# Allegro board RK_NVR_DEMO1_RK3588_LP4XD200P232SD8_V21_20211228_final_lint.brd (continued)
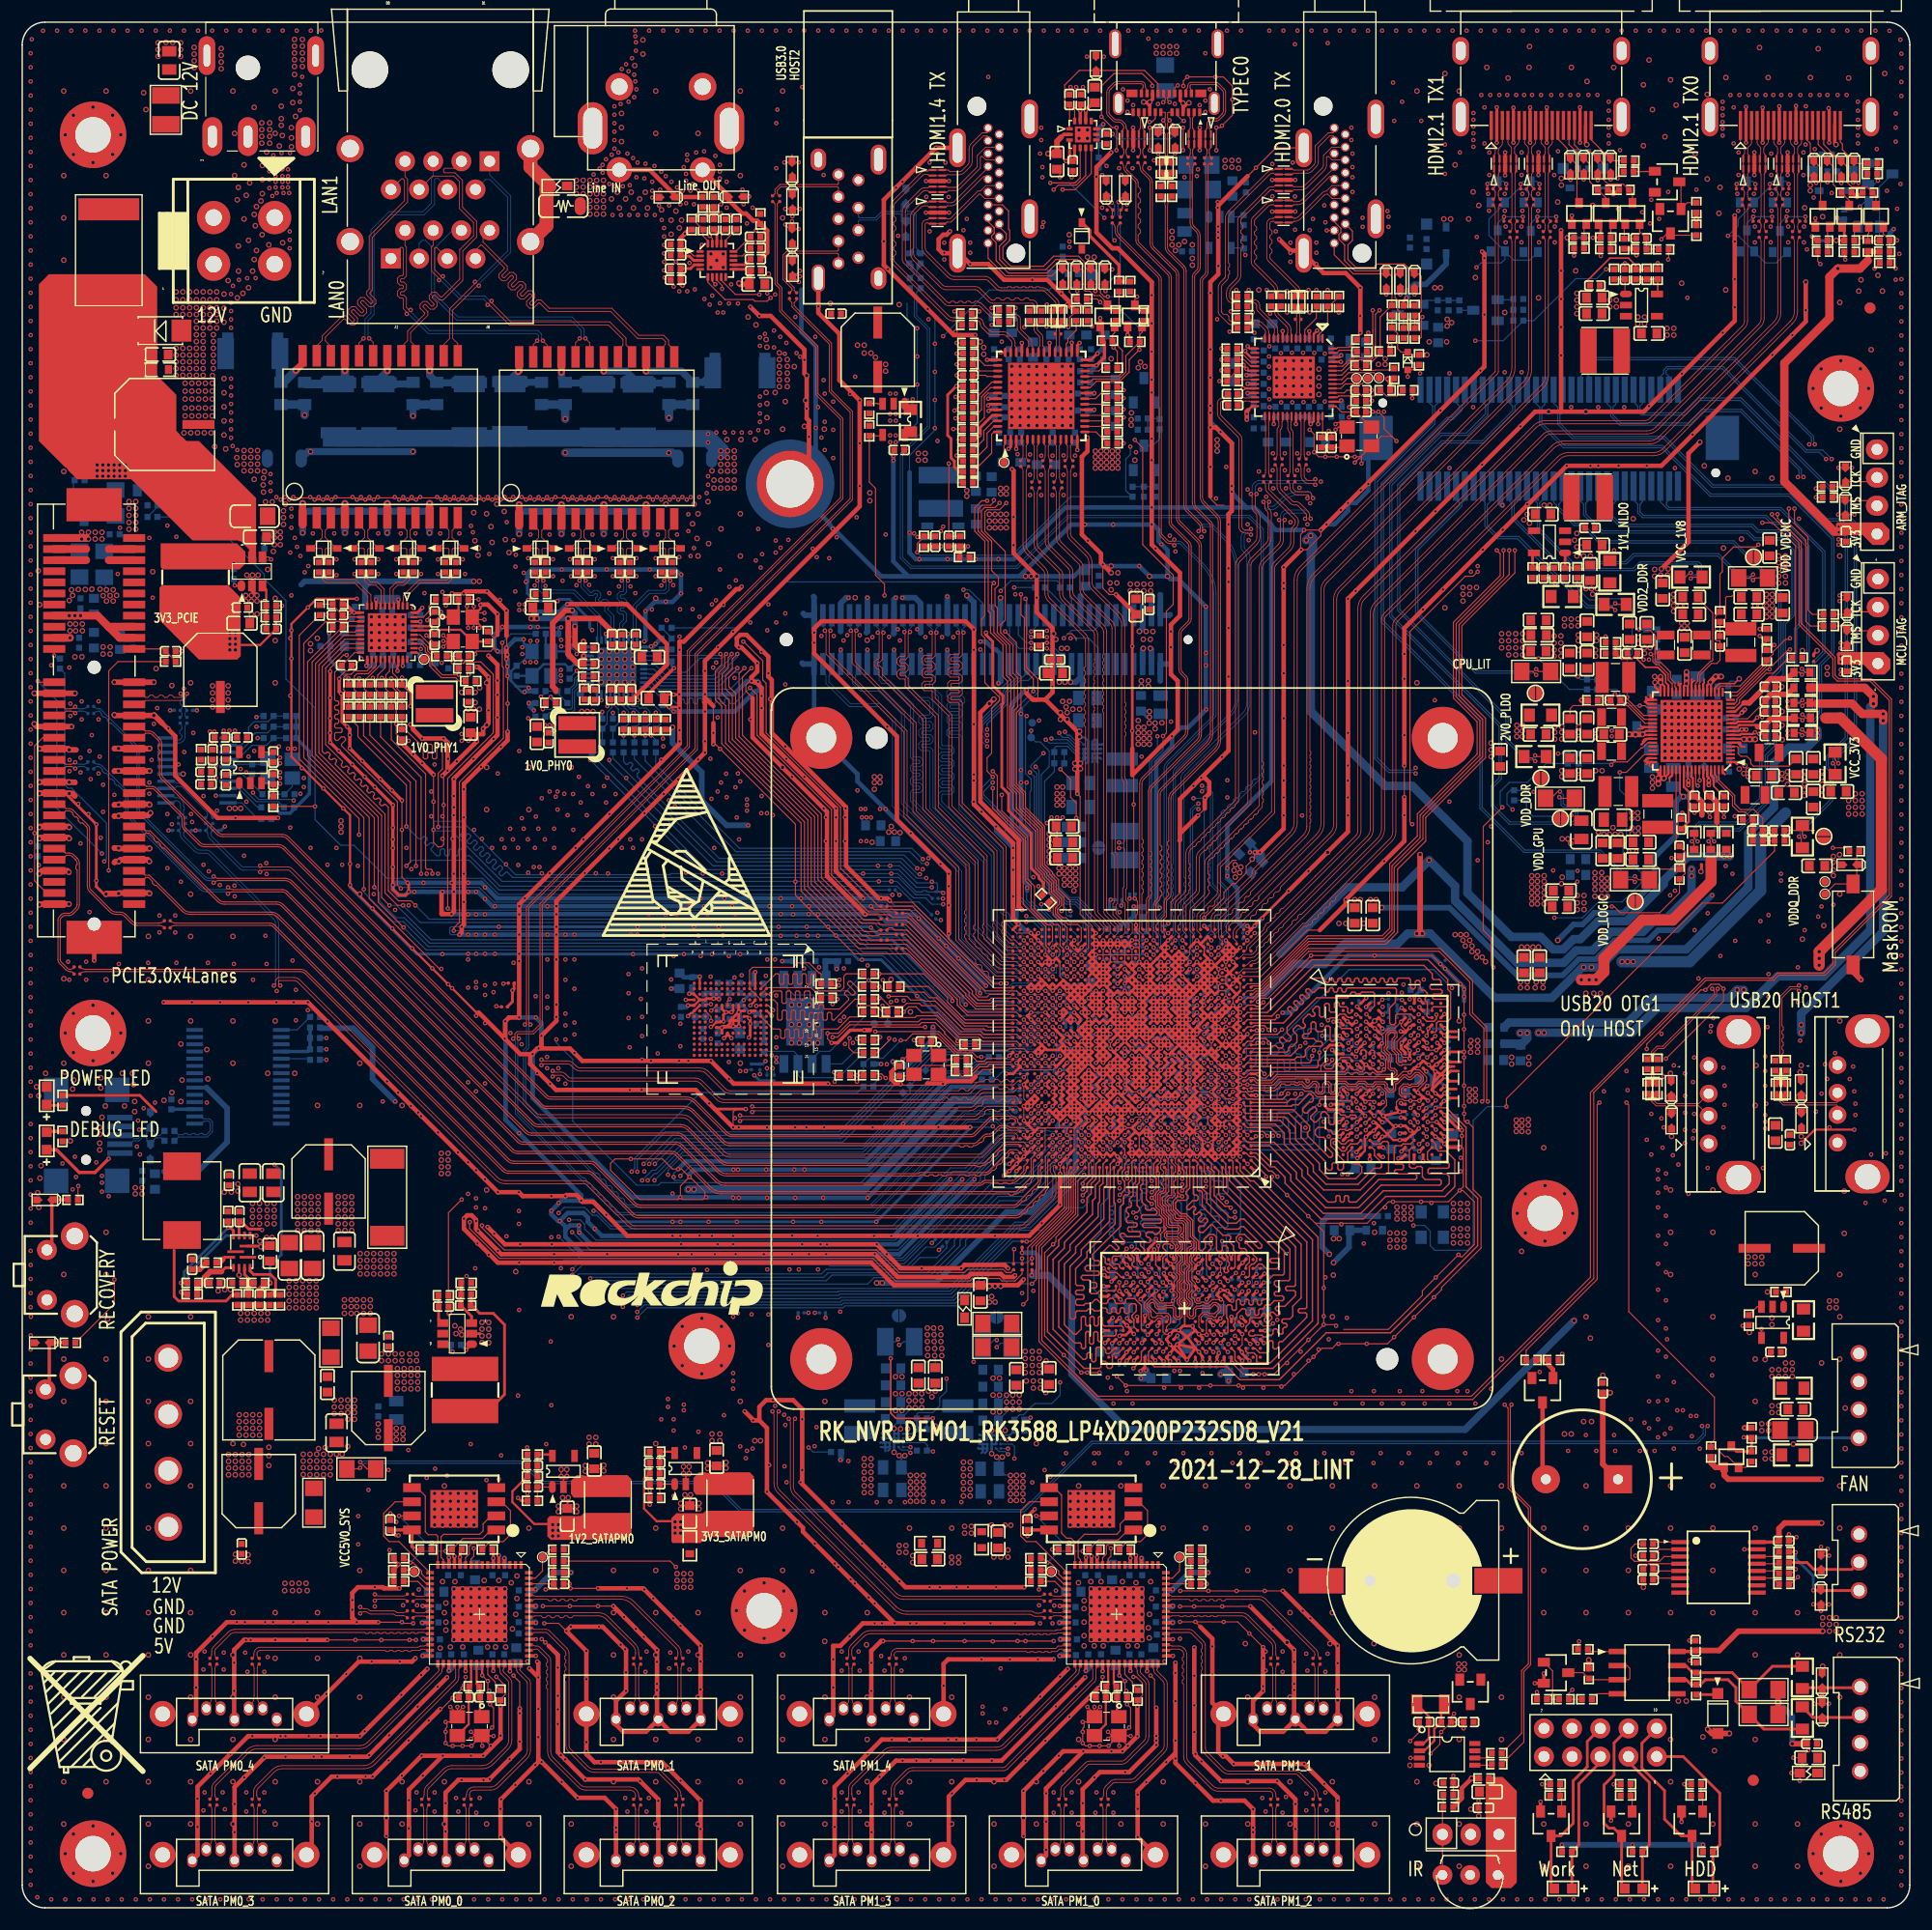
[diagram p0: board, top side]
## Routing (per net, layer and track width the routed paths; a pad name or vN(x,y) marks a point on that pad's centre or on a via; arc(x,y) is an arc through that point) (continued)
VDD_CPU_BIG0_P: length 192.5
  L4-S1 w0.102: v1(90.85,44.19) 90.8,44.24 86.74,44.24 86.03,44.95 86.03,48.91 v1(85.72,49.22) ; v1(160.5,128.97) 160.32,128.79 160.32,128.63 161.11,127.84 161.11,115.56 162.43,114.24 162.43,113.02 161.72,112.31 161.72,107.54 162.53,106.72 162.53,104.18 161.52,103.17 161.52,98.7 159.57,96.75 159.57,91.09 158.27,89.78 158.27,65.19 149.53,56.45 149.53,44.95 v1(149.63,44.85)
  L6-S2 w0.102: v1(149.63,44.85) 149.22,45.25 134.8,45.25 134.08,44.54 97.33,44.54 94.03,47.85 94.03,48.87 91.98,50.92 88.06,50.92 v1(87.81,51.17)
  BOTTOM w0.102: R2200.1 87.28,50.9 87.55,51.17 v1(87.81,51.17) ; v1(160.5,128.97) 160.3,129.18 160.3,129.68 154.91,135.07 151.36,135.07 150.14,133.85 144.04,133.85 143.33,134.56 143.33,135.27 143.59,135.53 J9800.15
  BOTTOM w0.152: v1(90.85,44.19) 90.66,43.99 R2202.1 C2204.1
VDD_CPU_BIG1: length 274.7
  TOP w0.254: v1(96.1,72.91) U1000.K23 ; v1(96.1,72.91) 96.42,73.24 U1000.L23 ; v1(96.1,72.91) U1000.L24 ; v1(96.1,72.91) U1000.K24 ; U1000.K23 96.42,72.59 v1(96.75,72.91) U1000.L23 ; U1000.K23 96.42,72.59 96.1,72.26 U1000.K24 ; U1000.N24 95.77,74.54 v1(96.1,74.86) ; U1000.N24 v1(96.1,74.21) ; U1000.N24 95.77,74.54 95.45,74.21 U1000.M24 ; U1000.N24 95.45,74.86 95.77,75.19 U1000.P24 ; v1(96.1,74.21) U1000.M23 96.42,73.89 v1(96.1,73.56) ; v1(96.1,74.21) U1000.M24 ; v1(96.1,74.21) 96.42,74.54 U1000.N23 ; U1000.P24 95.77,75.19 v1(96.1,75.51) 96.42,75.19 U1000.P23 ; U1000.P24 v1(96.1,74.86) ; U1000.N23 96.42,74.54 96.75,74.86 U1000.P23 ; U1000.N23 v1(96.1,74.86) ; v1(96.1,74.86) 96.42,75.19 U1000.P23 ; v1(96.1,73.56) U1000.L23 ; v1(96.1,73.56) U1000.L24 ; v1(96.1,73.56) U1000.M24 ; U1000.L24 95.45,73.56 v1(95.45,73.57) 95.45,73.57 95.77,73.89 U1000.M24 ; U1000.L24 95.77,73.24 v1(95.45,72.91) U1000.K24
  L3-POWER1 w0.089: 88.47,74.41 88.57,74.52 90.11,74.52 90.12,74.52 90.38,74.52 90.38,74.52 90.76,74.52 90.77,74.52 91.03,74.52 91.03,74.52 91.41,74.52 91.42,74.52 91.68,74.52 91.68,74.52 92.06,74.52 92.07,74.52 92.33,74.52 92.33,74.52 92.71,74.52 92.72,74.52 92.98,74.52 92.98,74.52 93.14,74.52
  L3-POWER1 w0.102: v1(83.28,47.69) 83.18,47.79 83.18,48.71 82.98,48.91 78.2,48.91 75.77,51.35 75.77,64.36 76.27,64.86 76.27,70.55 79.63,73.91 87.96,73.91 88.47,74.41
  L4-S1 w0.102: v1(161.52,131.92) 161.41,131.82 161.41,130.9 162.33,129.99 162.33,116.17 162.94,115.56 162.94,112.82 162.13,112.01 162.13,108.15 163.24,107.03 163.24,104.08 162.74,103.57 162.74,102.86 163.24,102.35 163.24,100.32 162.02,99.1 162.02,92.39 158.87,89.24 158.87,64.65 150.65,56.42 150.65,44.54 v1(150.85,44.34)
  L6-S2 w0.102: v1(79.02,50.74) 80.95,52.67 82.9,52.67 87.26,48.3 88.59,48.3 91.23,45.66 93.85,45.66 95.68,43.83 134.29,43.83 135.1,44.65 148.21,44.65 148.92,43.93 150.44,43.93 v1(150.85,44.34)
  BOTTOM w0.102: C1032.1 82.27,52.11 v2(82.12,52.27) ; R2203.2 80.61,44.51 80.74,44.65 82.07,44.65 82.67,45.25 82.67,45.97 83.28,46.58 v1(83.28,47.69) ; J9800.23 140.39,138.02 140.69,138.32 140.69,138.73 141.7,139.74 154.3,139.74 161.41,132.63 161.41,132.02 v1(161.52,131.92) ; R2201.2 79.4,51.02 79.12,50.74 v1(79.02,50.74)
  BOTTOM w0.152: U2201.A4 80.21,42.73 C2210.2 R2203.2
  BOTTOM w0.406: C1029.1 96.24,74.07 v1(96.1,74.21)
  vias: v2(81.56,52.27) v2(81.56,51.66) v2(81.56,51.05) v2(81.58,50.41) v2(81.58,49.78) v2(82.17,51.66) v2(82.17,51.05) v2(82.22,50.41) v2(82.22,49.78) v2(82.75,52.27) v2(82.78,51.66) v2(82.78,51.05) v2(82.85,50.41) v2(82.85,49.78)
VDD_CPU_BIG1_MEM: length 10.1
  TOP w0.254: v1(97.4,73.56) 97.72,73.89 U1000.M21 v1(97.4,74.21) U1000.N21
  L3-POWER1 w0.089: 98.83,66.49 98.93,66.59 98.93,66.86 99.01,66.93 99.01,67.19 98.93,67.27 98.93,67.51 99.01,67.58 99.01,67.84 98.93,67.92 98.93,68.81 99.01,68.88 99.01,69.14 98.93,69.22 98.93,69.46 99.01,69.53 99.01,69.79 98.93,69.87 98.93,70.25 ; 98.93,71.98 98.93,71.82 99.01,71.74 99.01,71.48 98.93,71.41 98.93,71.26 98.83,71.16 ; v1(97.4,73.56) 97.09,73.25 97.09,72.37 97,72.28
  L3-POWER1 w0.254: v1(97.4,73.56) v1(97.4,74.21)
  BOTTOM w0.254: v1(97.4,74.21) C1051.1 97.65,73.81 v1(97.4,73.56) 97.77,73.19 C1083.1
  vias: v2(87.15,54.6) v2(87.35,55.11) v2(87.65,54.6)
VDD_CPU_BIG1_P: length 209.2
  TOP w0.152: v1(78.26,49.52) 78.26,44.59 78.72,44.13 v1(82.06,44.13)
  L4-S1 w0.102: v1(150.34,44.34) 150.44,44.44 150.44,56.51 158.67,64.73 158.67,89.32 161.82,92.47 161.82,99.2 163.04,100.42 163.04,102.25 162.53,102.76 162.53,103.67 163.04,104.18 163.04,106.93 161.92,108.04 161.92,112.11 162.74,112.92 162.74,115.46 162.13,116.07 162.13,129.89 161.21,130.8 161.21,131.72 v1(161.01,131.92)
  L6-S2 w0.102: v1(150.34,44.34) 150.14,44.14 149.02,44.14 148.31,44.85 135,44.85 134.19,44.04 95.76,44.04 93.94,45.86 91.31,45.86 88.67,48.51 87.35,48.51 82.98,52.87 80.85,52.87 79.22,51.25 v1(78.92,51.25)
  BOTTOM w0.102: J9800.21 141.19,138.02 140.89,138.32 140.89,138.64 141.79,139.54 154.22,139.54 161.21,132.55 161.21,132.12 v1(161.01,131.92) ; R2201.1 78.69,51.02 v1(78.92,51.25)
  BOTTOM w0.152: C2210.1 R2203.1 82.05,44.12 v1(82.06,44.13)
VDD_CPU_LIT: length 168.2
  TOP w0.102: U2100.37 146.42,108.18 146.24,108.36 v1(145.75,108.36) ; v1(136.41,111.14) 136.11,111.45 R2112.2
  TOP w0.254: U1000.Y21 v1(97.4,78.76) ; U1000.Y21 v1(97.4,79.41) U1000.Y22 ; U1000.Y21 v1(98.05,79.41) ; U1000.Y21 97.72,79.09 v1(98.05,78.76) 97.72,78.44 U1000.W21 ; v1(97.4,78.76) 97.07,79.09 U1000.Y22 ; v1(97.4,78.76) U1000.W21 ; v1(97.4,78.76) U1000.W22 ; U1000.Y22 v1(96.75,79.41) ; U1000.Y22 v1(96.75,78.76) U1000.W22 ; U1000.W21 97.72,78.44 97.4,78.11 ; U1000.T22 97.07,76.49 97.4,76.16 v1(97.4,76.16) 97.4,76.16 U1000.T21 97.72,76.49 ; U1000.T22 v1(96.75,76.16) ; U1000.T22 97.07,76.49 ; 97.4,76.81 97.07,77.14 U1000.U22 ; 97.4,76.81 97.41,76.81 ; 97.4,76.81 97.07,76.49 ; U1000.W22 97.4,78.11 ; U1000.W22 97.07,78.44 v1(96.75,78.11) U1000.V22 ; 97.4,78.11 U1000.V21 97.07,77.14 ; 97.4,78.11 97.07,77.79 U1000.V22 ; 97.41,76.81 97.41,76.83 U1000.U21 ; 97.41,76.81 97.41,76.8 97.72,76.49 ; U1000.U22 96.75,76.81 97.07,76.49 ; U1000.U22 97.07,77.14 ; 97.72,76.49 98.05,76.81 97.72,77.14 U1000.U21 ; 97.07,77.79 U1000.V22 ; 97.07,77.79 v1(96.75,77.46) 97.07,77.14 ; 97.07,77.79 U1000.U21
  L3-POWER1 w0.089: 94.16,75.53 93.85,75.23 93.65,75.23 93.63,75.2 89.36,75.2 88.97,74.82 88.47,74.82
  L3-POWER1 w0.102: 88.47,74.82 87.65,74.82 87.55,74.72 82.37,74.72 80.44,76.65 80.44,77.46 79.93,77.97 79.93,78.48 80.44,78.99 80.44,81.42 79.53,82.34 79.53,88.03 77.77,89.78 77.77,94.86 77.49,95.14 77.49,97.78 82.12,102.4 82.32,102.4 89.58,109.67 89.58,110.28 89.89,110.58 90.5,110.58 93.19,113.28 93.19,113.78 93.34,113.94 97.51,113.94 99.49,115.92 120.52,115.92 121.28,116.68 135,116.68 136.22,115.46 136.22,113.12 136.62,112.72 v1(136.62,112.62)
  BOTTOM w0.102: v1(145.75,108.36) 144.64,108.36 143.94,109.06 143.94,109.57 143.68,109.83 R2114.2 C2119.2 139.41,109.83 v1(136.62,112.62) ; v1(136.41,111.14) 136.26,111.29 130.93,111.29 125.55,116.68 125.55,122.47 129.51,126.43 129.51,126.64 129.19,126.96 J9800.52
  BOTTOM w0.254: v1(96.75,78.11) 96.99,78.35 97.13,78.35 ; v1(96.75,77.46) 97.01,77.73 97.13,77.73 ; v1(98.05,79.41) 98.27,79.63 98.27,79.78 ; C1059.1 97.01,76.43 v1(96.75,76.16) ; C1057.1 96.63,78.64 v1(96.75,78.76) ; C1058.1 97.62,79.64 v1(97.4,79.41)
  vias: v2(78.08,96.97) v2(78.31,97.48) v2(78.59,96.97) v2(79.09,96.92) v2(133.3,114.85) v2(133.3,114.22) v2(133.3,113.58) v2(133.94,114.85) v2(133.94,114.22) v2(133.94,113.58) v2(133.94,112.95) v2(134.57,114.85) v2(134.57,114.22) v2(134.57,113.58) v2(134.57,112.95) v2(135.21,114.85) v2(135.21,114.22) v2(135.21,113.58) v2(135.21,112.95)
VDD_CPU_LIT_P: length 29.3
  TOP w0.102: v1(136.41,111.65) 136.62,111.45 R2112.1
  BOTTOM w0.102: J9800.50 129.99,126.91 129.72,126.64 129.72,126.35 125.75,122.39 125.75,116.76 131.02,111.5 136.26,111.5 v1(136.41,111.65) ; R2114.1 C2119.1 140.44,110.73 v1(140.18,110.99)
VDD_DDR: length 152.1
  TOP w0.102: v1(143.18,103.04) 143.43,103.29 144.61,103.29 145.88,104.56 146,104.56 146.47,105.03 U2100.46 ; v1(132.56,84.78) 132.36,84.98 132.36,87.42 131.65,88.13 131.65,97.48 v1(133.37,99.2) ; 135.8,103.65 136.04,103.65 v1(136.32,103.37)
  TOP w0.254: U1000.L12 103.9,73.56 U1000.L11 v1(103.9,72.91) U1000.L12 ; U1000.L12 v1(103.25,72.91) U1000.L13 ; U1000.L12 103.56,73.24 103.25,73.55 102.93,73.24 U1000.L13 ; U1000.P12 v1(103.25,75.51) ; U1000.P12 103.57,75.19 103.9,75.51 103.57,75.84 U1000.R12 ; U1000.P12 v1(103.25,74.86) ; v1(103.25,75.51) U1000.R12 ; v1(103.25,75.51) 102.92,75.19 U1000.P13 102.92,75.19 v1(103.25,74.86) ; U1000.L14 v1(102.6,72.91) U1000.L13 ; v1(103.25,74.86) 102.92,74.54 U1000.N13 ; U1000.T12 103.57,76.49 103.9,76.16 103.57,75.84 U1000.R12 ; U1000.U11 v1(104.55,76.81) ; 100,72.91 100.32,72.59 v1(100.65,72.91) 100.32,73.24 U1000.L17 100,72.91 ; 100,72.91 U1000.L18
  L4-S1 w0.089: 113.97,76.45 113.97,77.59 ; 105.53,79.7 105.52,79.71 105.52,80.2 105.71,80.39 105.92,80.39 105.92,80.39 105.98,80.39 106,80.41 106.25,80.41 ; 100.76,68.83 100.76,66.9 101.04,66.62 110.74,66.62 110.92,66.79 113.46,66.79 ; 113.33,73.78 113.1,73.55 113.1,73.25 113.97,72.38 113.97,71.87 ; 113.97,77.67 114.63,78.33
  L4-S1 w0.102: 113.97,71.87 113.97,67.2 113.56,66.79 113.46,66.79 ; 114.63,78.33 115.59,79.29 115.59,82.44 117.42,84.27 131.95,84.27 132.46,84.78 v1(132.56,84.78) ; 113.97,77.59 113.97,77.67 ; 113.33,73.78 113.97,74.41 113.97,76.45
  BOTTOM w0.102: v1(133.37,99.2) 133.17,99.41 133.17,100.63 133.98,101.44 135.61,101.44 137.32,103.15 R2113.2 C2118.2 143.07,103.15 v1(143.18,103.04) ; v1(136.32,103.37) 136.22,103.47 135.43,103.47 133.68,105.22 133.68,107.2 123.92,116.95 123.92,128.27 127.89,132.24 131.56,132.24 134.29,134.97 134.29,135.37 133.99,135.67 J9800.39
  BOTTOM w0.254: v1(103.9,72.91) v1(103.25,72.91) ; v1(103.25,72.91) v1(102.6,72.91) ; v1(103.25,72.91) 103.15,73.01 C1227.1 ; C1221.1 101.9,72.13 102.23,72.45 102.23,72.58 ; 104.66,76.44 104.49,76.27 C1220.1 103.51,76.27 103.13,75.9 103.02,75.9 103.02,75.73 v1(103.25,75.51) 102.89,75.15 102.89,75.1 103.12,74.86 v1(103.25,74.86) ; 104.66,76.44 104.94,76.72 105.69,76.72 ; 104.66,76.44 104.66,76.7 v1(104.55,76.81) ; C1228.1 100.4,72.67 v1(100.65,72.91) ; v1(102.6,72.91) 102.27,72.58 102.23,72.58 ; v1(102.6,72.91) 102.3,73.21 102.23,73.21 102.23,72.58
  vias: v2(129.11,87.72) v2(129.61,87.72) v2(129.82,87.22) v2(130.02,86.71) v2(130.12,87.72) v2(130.43,87.22) v2(130.63,86.71) v2(130.63,86.2) v2(131.04,85.69) v2(131.14,86.2) v2(131.54,85.69) v2(131.85,85.29)
VDD_DDR_P: length 48.2
  TOP w0.102: v1(136.32,103.88) 136.42,103.78 R2111.2
  BOTTOM w0.102: v1(136.32,103.88) 136.12,103.67 135.53,103.67 133.88,105.33 133.88,107.28 124.13,117.04 124.13,128.19 127.98,132.03 131.66,132.03 134.49,134.87 134.49,135.37 134.79,135.67 J9800.37 ; v1(138.38,104.05) R2113.1 C2118.1
VDD_GPU: length 163.3
  TOP w0.102: U2100.49 146.43,103.98 146.4,103.95 146.14,103.95 144.54,102.35 v1(143.94,102.35) ; R2100.2 137.46,100.22 137.95,100.22 138.35,100.63 v1(138.55,100.63)
  TOP w0.254: v1(101.95,81.36) U1000.AC15 v1(101.95,80.71) ; v1(101.95,81.36) U1000.AD15 v1(101.95,82.01) U1000.AD14 ; v1(101.95,81.36) U1000.AD14 ; v1(101.95,81.36) 102.27,81.04 U1000.AC14 ; U1000.AD13 v1(103.25,81.36) 102.92,81.04 U1000.AC13 ; U1000.AD13 v1(102.6,81.36) ; U1000.AD13 102.92,81.69 v1(103.25,82.01) ; U1000.AD13 v1(102.6,82.01) U1000.AD14 ; U1000.AB13 v1(103.25,80.06) ; U1000.AB13 v1(102.6,80.71) ; U1000.AB13 v1(102.6,80.06) ; U1000.AB13 102.92,80.39 103.25,80.71 ; v1(103.25,80.06) U1000.AA12 ; v1(103.25,80.06) U1000.AB12 103.25,80.71 ; v1(103.25,80.06) 102.92,79.74 U1000.AA13 v1(102.6,80.06) ; v1(102.6,80.71) U1000.AC13 ; v1(102.6,80.71) U1000.AC14 ; v1(102.6,80.71) 102.27,80.39 U1000.AB14 ; U1000.AC13 103.25,80.71 ; U1000.AC13 v1(102.6,81.36) ; U1000.AB14 v1(102.6,80.06) ; U1000.AB14 v1(101.95,80.06) ; U1000.AB14 v1(101.95,80.71) ; v1(102.6,80.06) 102.27,79.74 U1000.AA14 v1(101.95,80.06) ; v1(101.95,80.06) U1000.AB15 101.62,80.39 v1(101.95,80.71) ; v1(101.95,80.06) 101.62,79.74 U1000.AA15 ; v1(101.95,80.71) U1000.AC14 ; v1(102.6,81.36) U1000.AD14 ; v1(102.6,81.36) U1000.AC14
  L3-POWER1 w0.089: 101.75,82.16 101.61,82.3 101.61,86.04 101.57,86.08 101.57,86.4 101.61,86.43 101.61,86.69 101.57,86.73 101.57,87.05 101.61,87.08 101.61,87.34 101.57,87.38 101.57,90.26 101.98,90.67
  L3-POWER1 w0.102: v1(138.05,89.25) 138.05,90.37 137.74,90.67 137.74,93.01 137.13,93.62 135.2,93.62 132.05,96.77 124.73,96.77 124.66,96.7 124.4,96.7 124.34,96.77 119.66,96.77 119.58,96.69 119.32,96.69 119.25,96.77 106.96,96.77 101.98,91.79 101.98,90.67
  BOTTOM w0.102: v1(138.05,89.25) 140.59,89.25 142.01,90.67 144.14,90.67 145.87,92.4 145.87,93.31 144.24,94.94 144.24,95.75 144.55,96.05 144.55,100.16 143.94,100.77 v1(143.94,102.35) ; J9800.45 131.59,135.74 131.85,135.48 131.85,134.66 130.12,132.94 127.79,132.94 123.21,128.36 123.21,116.39 133.07,106.54 133.07,101.85 132.36,101.13 132.36,99.31 133.98,97.68 139.77,97.68 140.16,98.07 140.16,99.12 139.88,99.41 138.99,99.41 138.86,99.53 138.86,100.32 v1(138.55,100.63) ; R2104.2 C2108.2 134.09,100.74 133.78,100.42 133.78,99.51 v1(134.29,99)
  BOTTOM w0.254: v1(103.25,82.01) 103.63,82.4 103.63,82.44 ; v1(101.95,80.06) 101.79,80.22 C1005.1 ; 103.05,82.39 102.66,82.01 v1(102.6,82.01) ; v1(103.25,81.36) 103.1,81.22 C1004.1 ; C1007.1 101.73,81.79 v1(101.95,82.01) 102.08,82.14 102.08,82.39 ; 101.57,81.02 101.64,81.02 v1(101.95,80.71)
  vias: v2(109.19,93.51) v2(109.29,94.02) v2(109.29,92.91) v2(109.7,93.31) v2(109.8,93.82) v2(136.01,93.03) v2(136.01,92.52) v2(136.01,92.02) v2(136.01,91.51) v2(136.01,91) v2(136.01,90.49) v2(136.52,93.03) v2(136.52,92.52) v2(136.52,92.02) v2(136.52,91.51) v2(136.52,91) v2(136.52,90.49) v2(137.13,93.03) v2(137.13,92.52) v2(137.13,92.02) v2(137.13,91.51) v2(137.13,91) v2(137.13,90.49)
VDD_GPU_P: length 65.9
  TOP w0.102: v1(138.5,100.12) 138.55,100.12 138.66,100.02 R2100.1
  BOTTOM w0.102: J9800.43 132.39,135.81 132.05,135.48 132.05,134.56 130.22,132.73 127.89,132.73 123.42,128.26 123.42,116.48 133.27,106.62 133.27,101.74 132.56,101.03 132.56,99.39 134.07,97.88 139.67,97.88 139.96,98.17 139.96,99.02 139.77,99.2 138.86,99.2 138.66,99.41 138.66,100.02 138.55,100.12 v1(138.5,100.12) ; v1(139.57,98.49) 139.47,98.39 136.12,98.39 135.54,98.97 R2104.1 C2108.1
VDD_IVDD10: length 15.3
  TOP w0.152: 140.94,146.6 143.05,148.71 144.73,148.71 145.4,148.04 C5120.1 R5132.1
  TOP w0.203: U5100.21 v1(110.31,138.16) ; U5100.15 110.61,140.56 v1(110.41,140.76) ; 110.46,135.02 110.81,135.36 U5100.28 ; v1(118.84,139.95) 118.66,139.76 U5100.54 ; v1(118.84,135.88) 118.72,135.76 U5100.44 ; U5100.17 110.7,139.76 110.21,140.25 v1(110.21,140.35)
  TOP w0.406: v1(110.34,134.15) v1(110.34,134.66) 110.34,134.9 110.46,135.02
  BOTTOM w0.406: v1(118.84,135.88) 118.9,135.83 C5125.1 ; C5126.1 118.35,139.95 v1(118.84,139.95) ; v1(110.31,138.16) 110.75,138.16 C5124.1
  vias: v2(140.08,145.53) v2(140.08,144.92) v2(140.08,144.31) v2(140.08,143.71)
VDD_IVDD12_6161: length 14.2
  TOP w0.102: R5553.1 C5515.1 v1(83.49,130.19)
  TOP w0.254: v1(87.04,135.44) 87.15,135.54 U5500.51 ; U5500.52 87.18,135.04 v1(87.07,134.94) ; U5500.28 96.31,139.54 v1(96.88,140.11) ; U5500.43 v1(86.94,139.54) ; v1(96.59,136.54) U5500.22 ; U5500.42 v1(88.16,140.21)
  BOTTOM w0.406: C5525.1 96.55,136.49 v1(96.59,136.54) ; v1(96.88,140.11) 97.27,140.5 C5526.1
  vias: v2(86.33,141.17) v2(86.64,140.66) v2(86.64,140.05)
VDD_LOGIC: length 173
  TOP w0.102: v1(145.31,92.47) 145.11,92.68 R2122.2 ; U2100.56 149.02,96 C2132.2 149.83,95.19 149.83,93.24 R2124.2 149.32,91.48 147.55,89.7 143.99,89.7 143.43,90.26 v1(143.23,90.26)
  TOP w0.254: v1(100,81.36) 100.32,81.69 U1000.AD17 100.32,81.69 v1(100,82.01) 99.67,81.69 ; v1(100,81.36) 99.67,81.69 U1000.AD18 ; v1(100,81.36) U1000.AC18 ; v1(100,81.36) 100.32,81.04 U1000.AC17 100.32,81.04 v1(100,80.71) U1000.AC18 ; U1000.AC18 v1(99.35,80.71) U1000.AC19 99.02,81.04 v1(99.35,81.36) ; U1000.AC18 99.67,81.04 v1(99.35,81.36) ; v1(100,78.11) U1000.V17 v1(100.65,78.11) U1000.V16 ; U1000.AD18 99.67,81.69 ; U1000.AD18 v1(99.35,81.36) ; 99.67,81.69 v1(99.35,82.01) 99.02,81.69 ; 99.02,81.69 U1000.AD19 99.02,81.69 v1(99.35,81.36) ; 99.02,81.69 v1(98.7,82.01) ; U1000.K19 v1(98.7,72.91) U1000.K20
  L3-POWER1 w0.089: 100.49,73.94 100.52,73.9 100.78,73.9 100.96,74.08 100.96,74.21 100.96,74.21
  L4-S1 w0.089: 97,88.96 97.08,88.89 97.08,85.4 97.07,85.4 97.07,85.13 97.26,84.94 97.55,84.94 97.71,84.78 97.71,84.76 97.72,84.75 97.72,84.48 97.71,84.47 97.71,82.81 97.72,82.8 97.72,82.64 97.72,82.64 97.72,82.53 97.91,82.34 98.18,82.34 98.18,82.34 98.32,82.34
  L4-S1 w0.102: 97,88.96 97,89.04 96.7,89.35 96.7,95.45 99.13,97.88 100.66,97.88 105.53,102.76 112.65,102.76 113.33,103.44 114.1,103.44 114.78,102.76 118.54,102.76 119.15,103.37 125.75,103.37 126.16,102.96 137.74,102.96 137.95,103.17 138.66,103.17 139.57,102.25 139.57,101.95 143.43,98.09 143.53,98.09 144.45,97.17 144.45,95.95 144.35,95.85 144.35,91.38 v1(143.23,90.26)
  BOTTOM w0.102: v1(145.31,92.47) 145.08,92.7 144.55,92.7 142.11,95.14 135.3,95.14 131.34,99.1 131.34,107.03 122.45,115.92 122.45,128.41 128.39,134.36 128.8,134.36 129.51,135.07 129.51,135.37 129.19,135.7 J9800.51
  BOTTOM w0.254: v1(98.7,82.01) 98.84,82.16 C1037.1 ; C1038.1 98.46,72.68 v1(98.7,72.91) 98.92,72.69 C1039.1 ; v1(100,78.11) 100.22,78.34 C1042.1 100.26,78.5 v1(100.65,78.11) ; C1041.1 99.76,82.41 C1040.1 99.77,82.24 v1(100,82.01) ; C1036.1 v1(100,80.71)
  vias: v1(136.19,100.6) v2(141.7,93.31) v2(141.7,92.8) v2(141.7,92.3) v2(141.7,91.79) v2(141.7,91.18) v2(142.31,93.31) v2(142.31,92.8) v2(142.31,92.3) v2(142.31,91.79) v2(142.31,91.18) v2(142.82,92.8) v2(142.82,92.3) v2(142.82,91.79) v2(142.82,91.18)
VDD_LOGIC_P: length 65.7
  TOP w0.102: 147.31,93.87 147.54,93.63 R2124.1 149.32,93.63 C2132.1 ; R2122.1 145.62,92.68 v1(145.31,92.98)
  BOTTOM w0.102: J9800.49 129.99,135.65 129.72,135.37 129.72,134.97 128.9,134.15 128.5,134.15 122.65,128.31 122.65,116.02 131.54,107.13 131.54,99.19 135.39,95.34 142.21,95.34 144.65,92.91 145.24,92.91 v1(145.31,92.98)
VDD_NPU: length 123.8
  TOP w0.254: v1(96.75,81.36) 97.07,81.04 ; v1(96.75,81.36) U1000.AD23 ; v1(96.75,81.36) U1000.AD22 ; v1(96.75,81.36) 96.42,81.04 96.42,81.04 ; 97.07,81.04 U1000.AC22 ; 97.07,81.04 97.07,81.04 v1(97.4,81.36) 97.07,81.69 U1000.AD22 ; U1000.AC22 97.07,81.04 v1(97.4,80.71) ; U1000.AC22 v1(96.75,80.71) ; U1000.AD22 97.07,81.69 v1(96.75,82.01) ; U1000.AD22 v1(97.4,82.01) U1000.AE22 ; U1000.AD23 v1(96.1,82.01) U1000.AE23 ; U1000.AD23 96.1,81.36 96.42,81.04 ; U1000.AD23 96.42,81.69 v1(96.75,82.01) ; U1000.AE23 v1(96.75,82.66) U1000.AE22 ; U1000.AE23 96.42,82.34 v1(96.75,82.01) ; v1(96.75,82.01) 97.07,82.34 U1000.AE22 ; U1000.AE22 v1(97.4,82.66) ; v1(96.75,80.71) 97.07,80.39 U1000.AB22 v1(97.4,80.71) ; v1(96.75,80.71) U1000.AC23 96.42,81.04 ; v1(96.75,80.71) 96.42,80.39 U1000.AB23 ; v1(97.4,80.71) 97.72,80.39 U1000.AB21
  L3-POWER1 w0.089: v1(96.75,80.71) 96.44,80.41 96.23,80.41 96.23,80.4 95.97,80.4 95.96,80.41 95.58,80.41 95.58,80.4 95.32,80.4 95.31,80.41 94.93,80.41 94.93,80.4 94.67,80.4 94.66,80.41 93.63,80.41 93.63,80.4 93.37,80.4 93.36,80.41 92.98,80.41 92.98,80.4 92.72,80.4 92.71,80.41 92.33,80.41 92.33,80.4 92.07,80.4 92.06,80.41 91.03,80.41 91.03,80.4 90.77,80.4 90.76,80.41 89.3,80.41 88.97,80.74 88.97,83.17 89,83.2 89,83.46 88.97,83.49 88.97,88.94 88.95,88.96
  L3-POWER1 w0.102: 88.95,88.96 88.95,90.06 88.87,90.14 88.87,93.72 89.48,94.33 91.62,94.33 92.12,94.84 92.12,97.58 v1(92.33,97.78)
  L6-S2 w0.102: v1(125.55,102.25) 125.45,102.35 105.15,102.35 99.55,96.75 99.55,96.07 99.13,95.65 98.96,95.65 v1(98.83,95.52)
  BOTTOM w0.102: R2206.2 99.34,95.45 99.24,95.55 98.86,95.55 v1(98.83,95.52) ; J9800.57 126.79,135.66 127.07,135.37 127.07,133.85 121.88,128.66 121.88,103.59 123.12,102.34 125.46,102.34 v1(125.55,102.25) ; U2202.A4 94.2,104.69 93.14,104.69 92.99,104.55 C2220.2 R2207.2 92.99,102.41 92.12,101.54 92.12,97.99 v1(92.33,97.78)
  BOTTOM w0.254: 97.12,82.52 96.89,82.52 v1(96.75,82.66) 96.63,82.54 96.37,82.54 96.27,82.65 C1064.1 ; v1(96.1,82.01) 95.87,81.78 95.74,81.78 ; v1(97.4,80.71) 97.63,80.95 97.77,80.95
  vias: v2(93.42,93.72) v2(93.42,93.21) v2(93.9,93.72) v2(93.9,93.21) v2(93.9,92.7) v2(93.9,92.19) v2(94.41,93.72) v2(94.41,93.21) v2(94.41,92.7) v2(94.41,92.19) v2(94.77,91.69) v2(94.92,93.72) v2(94.92,93.21) v2(94.92,92.7) v2(94.92,92.19)
VDD_NPU_P: length 78.5
  TOP w0.102: v1(93.55,102.63) 94.46,101.72 94.46,100.12 94.97,99.61 v1(94.97,98.24)
  L6-S2 w0.102: v1(98.83,96.03) 98.95,95.9 99.1,95.9 99.35,96.16 99.35,96.86 105.04,102.56 125.25,102.56 125.45,102.76 v1(125.55,102.76)
  BOTTOM w0.102: v1(93.55,102.63) 93.55,102.66 93.89,103.01 R2207.1 C2220.1 ; v1(125.55,102.76) 125.35,102.56 123.21,102.56 122.1,103.67 122.1,128.57 127.28,133.75 127.28,135.37 127.59,135.69 J9800.55 ; 95.76,101.57 95.76,101.54 96.54,101.54 ; R2206.1 99.34,96.16 99.1,95.92 98.94,95.92 v1(98.83,96.03)
VDD_NVDD12_6161: length 1.8
  TOP w0.254: v1(95.07,131.41) U5500.14 ; v1(89.57,131.51) U5500.3
VDD_PVCC12_6161: length 0.9
  TOP w0.254: U5500.29 95.07,140.86 v1(95.27,141.06)
VDD_RDVDD12_6161: length 0.9
  TOP w0.254: U5500.2 89.07,131.71 v1(88.87,131.51)
VDD_TAVCC10: length 2
  TOP w0.203: U5100.4 v1(115.97,142.11) ; U5100.10 v1(113.57,142.13)
  BOTTOM w0.102: 113.57,141.47 v1(113.57,142.13)
VDD_TDVDD12_6161: length 0.9
  TOP w0.254: v1(90.07,141.06) U5500.39
VDD_VDENC: length 142.2
  TOP w0.102: v1(155.95,119.68) 156.16,119.88 156.95,119.88 ; v1(156.44,122.88) 156.23,122.67 154.2,122.67 153.19,121.66 153.19,120.44 152.97,120.23 R2129.2 152.55,116.4 152.55,114.3 152.63,114.21 152.97,114.21 C2143.2 152.97,112.45 152.69,112.17 152.21,112.17 151.18,111.14 151.18,110.46 151.12,110.4 151.12,110.18
  TOP w0.203: U2100.24 151.12,110.18
  TOP w0.254: 102.27,77.14 U1000.U14 v1(101.95,76.81) 102.27,76.49 U1000.T14 102.27,76.49 ; 102.27,77.14 v1(102.6,77.46) ; 102.27,77.14 v1(102.6,76.81) 102.27,76.49 ; U1000.V14 v1(101.95,78.11) U1000.W14 102.27,78.44 v1(102.6,78.11) ; U1000.V14 v1(102.6,78.11) ; U1000.V14 102.27,77.79 v1(102.6,77.46) ; v1(102.6,78.11) U1000.V13 ; v1(102.6,78.11) U1000.W13 102.92,78.44 v1(103.25,78.11) ; 102.92,77.79 v1(103.25,77.46) U1000.V12 v1(103.25,78.11) ; 102.92,77.79 U1000.V13 ; 102.92,77.79 v1(102.6,77.46) ; 102.27,76.49 v1(102.6,76.16) 102.27,75.84 U1000.R14 ; v1(103.25,78.11) U1000.V13
  L3-POWER1 w0.089: 106.86,82.24 107.26,82.64 108.28,82.64 108.58,82.95 109.8,82.95 112.34,85.49 112.34,86.81 113.76,88.23
  L3-POWER1 w0.102: v1(156.44,122.88) 157.15,122.17 157.15,119.32 155.7,117.87 155.7,116.4 156.13,115.97 156.13,111.9 157.15,110.89 157.15,100.02 152.17,95.04 150.75,95.04 145.36,89.65 141.4,89.65 137.95,86.2 132.26,86.2 130.22,88.23 113.76,88.23
  BOTTOM w0.102: J9800.34 136.39,126.77 136.52,126.64 136.52,124.22 139.59,121.15 144.53,121.15 145.24,121.86 152.78,121.86 154.81,119.83 155.8,119.83 v1(155.95,119.68)
  BOTTOM w0.254: v1(103.25,77.46) 103.28,77.49 C1047.1 ; 102.21,76.42 102.34,76.42 v1(102.6,76.16) ; 102.21,76.42 v1(102.6,76.81) ; 102.21,76.42 C1052.1 102.18,76.58 v1(101.95,76.81) ; C1050.1 102.53,78.18 v1(102.6,78.11) ; v1(103.25,78.11) 103.14,78.22 C1049.1 103.44,78.51 103.6,78.68 C1043.1 ; C1048.1 101.92,78.14 v1(101.95,78.11)
  vias: v2(135,83.46) v2(135,82.95) v2(135.61,83.46) v2(135.61,82.95) v2(136.32,82.95) v2(136.42,83.46) v2(137.03,83.46) v2(137.03,82.95) v2(158.27,121.86) v2(158.27,121.25) v2(158.27,120.64) v2(158.27,120.03) v2(158.27,119.42) v2(158.88,121.86) v2(158.88,121.25) v2(158.88,120.64) v2(158.88,120.03) v2(158.88,119.42)
VDD_VDENC_P: length 31.3
  TOP w0.102: C2143.1 R2129.1 153.14,115.92 153.49,116.27 153.49,118.1 153.59,118.2 154,118.2 154.1,118.31 ; v1(155.95,120.18) 155.65,119.88 154.95,119.88
  BOTTOM w0.102: J9800.32 137.19,127.1 136.73,126.64 136.73,124.3 139.67,121.35 144.45,121.35 145.16,122.06 152.86,122.06 154.9,120.03 155.8,120.03 v1(155.95,120.18)
VDDA0V75_IMAGE: length 148.6
  TOP w0.102: v1(160.4,108.35) 160.67,108.62 R2142.2
  TOP w0.254: v1(105.85,80.71) 105.52,80.39 U1000.AB9 ; v1(105.85,82.01) 105.52,81.69 U1000.AD9 ; v1(105.85,81.36) 105.52,81.04 U1000.AC9 ; U1000.AA9 105.52,79.74 v1(105.85,80.06)
  TOP w0.762: v2(167.67,107.02) v2(167.67,107.63) 165.79,107.63 164.87,108.55 161.72,108.55
  L6-S2 w0.089: v1(105.85,81.36) 106.17,81.69 106.63,81.69 106.82,81.88 106.82,82.15 106.86,82.18 106.86,82.67
  L6-S2 w0.254: 109.27,84.57 109.09,84.57 108.51,83.99 108.51,83.94 ; v1(105.85,82.01) 106.5,82.67 106.86,82.67
  L6-S2 w0.508: v1(105.85,82.01) v1(105.85,81.36) v1(105.85,80.71) v1(105.85,80.06) ; 108.51,83.94 108.51,83.27 108,82.76 106.94,82.76 106.86,82.67 ; 109.27,84.57 110.21,84.57
  L6-S2 w0.762: 110.21,84.57 113.66,88.03 117.93,88.03 v2(118.64,88.74) v2(119.25,88.74) v2(120.88,88.74) 122.2,88.74 123.85,87.09 128.6,87.09 132.05,83.63 132.05,82.03 133.68,80.41 142.62,80.41 143.43,79.6 150.54,79.6 153.29,76.85 155.99,76.85 158.02,78.88 v2(160.3,78.88) v2(160.3,79.6)
  BOTTOM w0.102: J9800.18 142.79,126.77 143.13,126.43 143.13,125.33 143.96,124.5 155.83,124.5 156.33,123.99 158.59,123.99 160.2,122.39 160.2,115.85 159.69,115.34 159.69,108.75 159.89,108.55 160.2,108.55 v1(160.4,108.35)